# KiCad board AudioInputPCB_Balanced.kicad_pcb
title: Balanced Analog Input Board for SmallDSP; date: 2024-04-23; rev: 2.0; company: Till Heuer
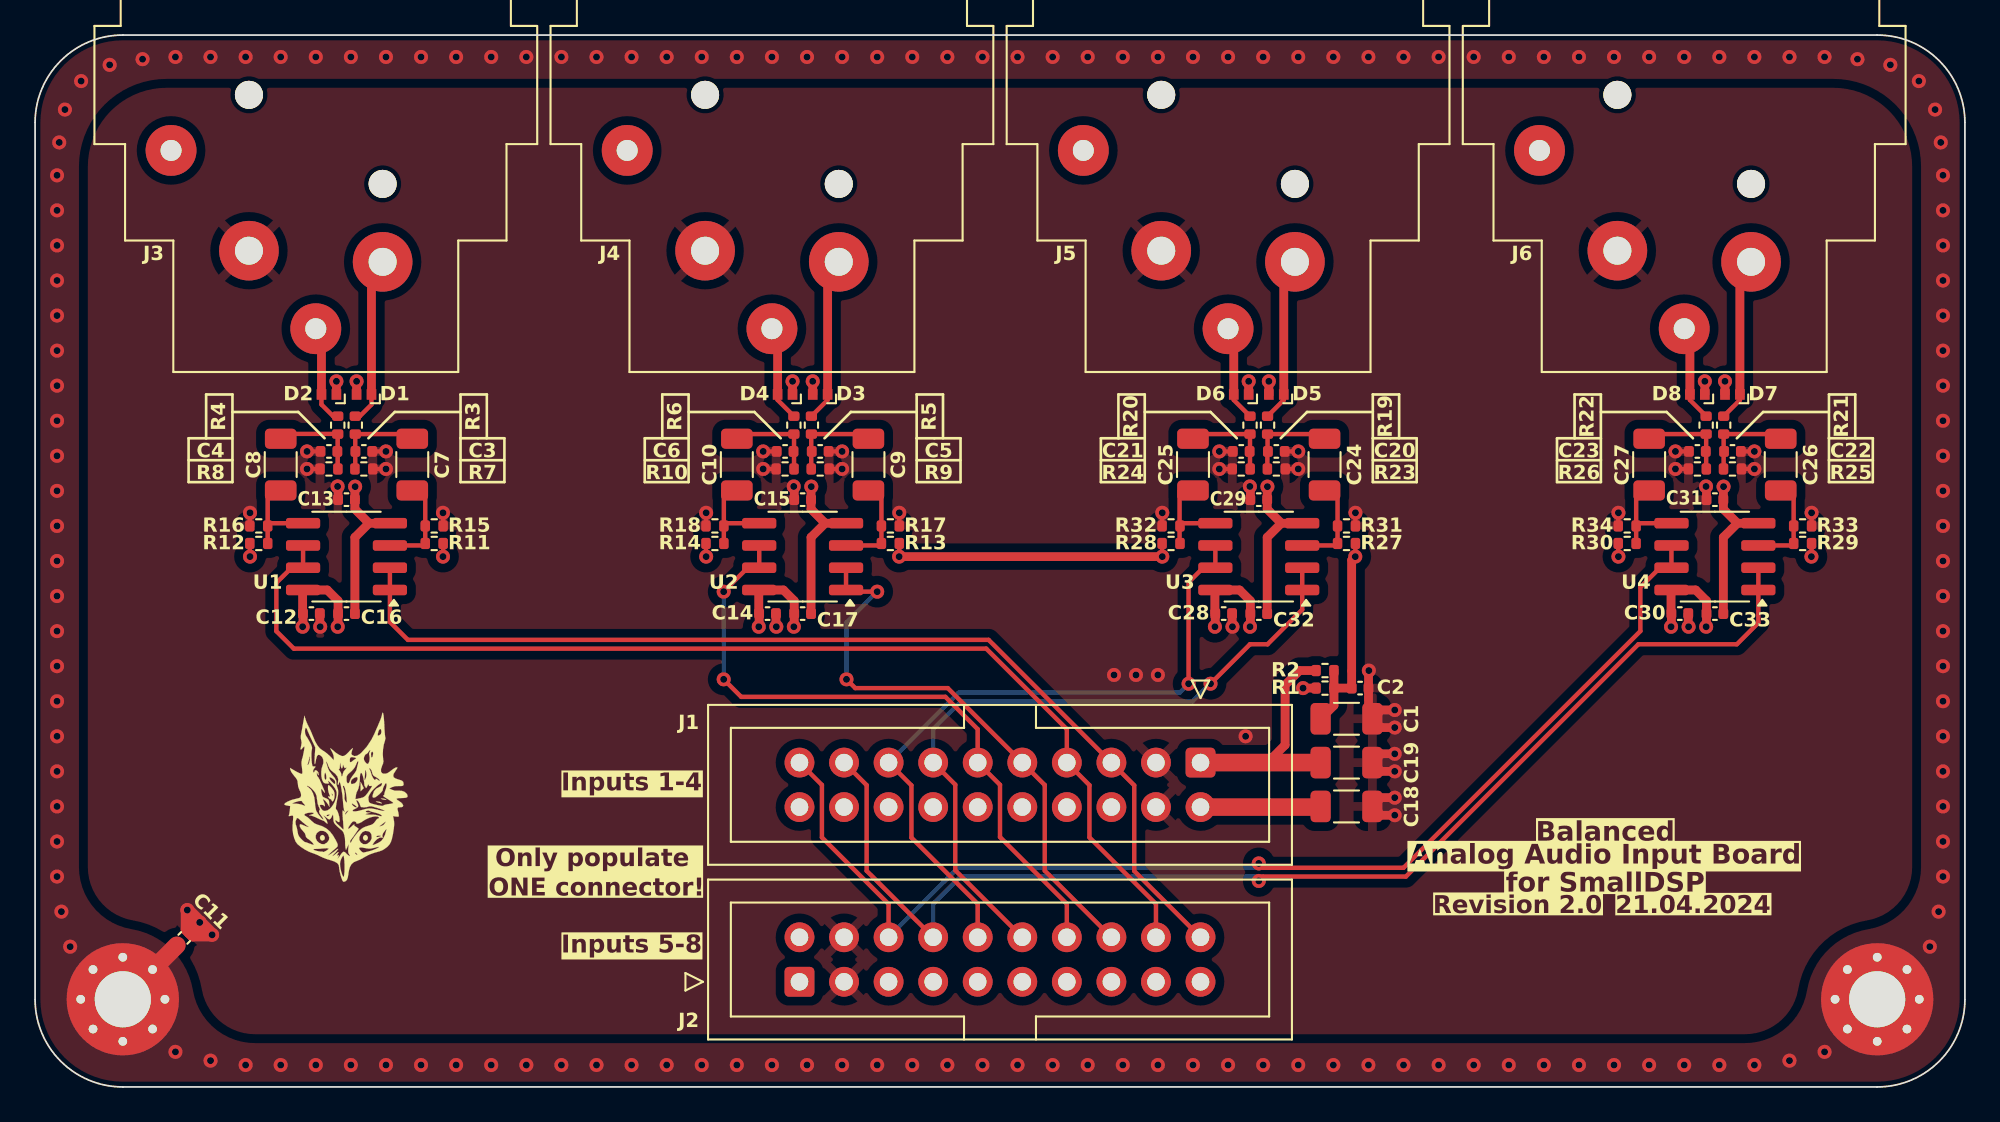
[diagram p0: board, top side]
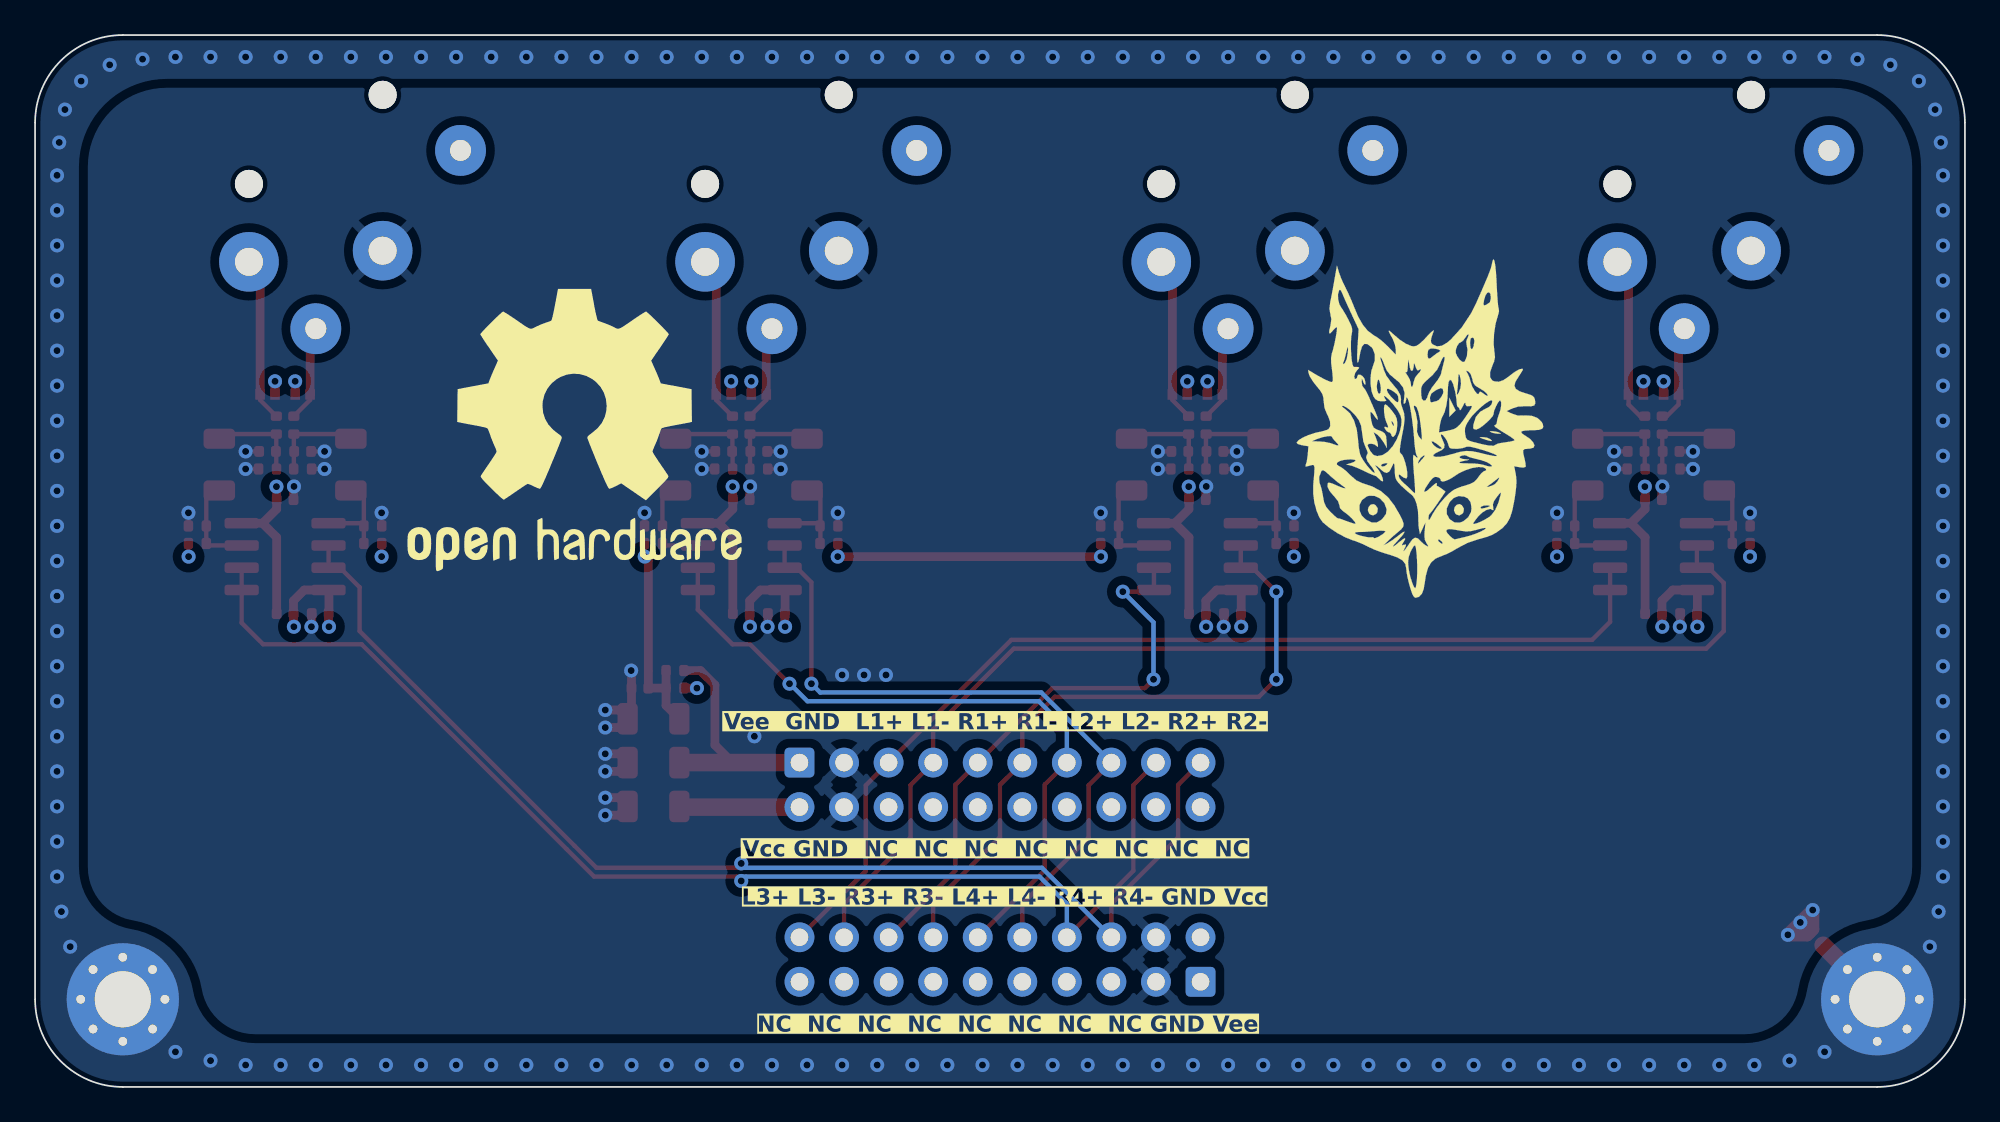
[diagram p1: board, bottom side, seen from below]

Outline 110 x 60 mm; copper layers: Top, In1.Cu, In2.Cu, Bottom. Coordinates in mm from the lower left corner of the outline.
Outline path: 0,55 0,5 arc(1.46,1.46) 5,0 105,0 arc(108.54,1.46) 110,5 110,55 arc(108.54,58.54) 105,60 5,60 arc(1.46,58.54) 0,55
Stack: Top 0.035mm / dielectric 0.1mm FR4 er 4.5 / In1.Cu 0.035mm / dielectric 1.24mm FR4 er 4.5 / In2.Cu 0.035mm / dielectric 0.1mm FR4 er 4.5 / Bottom 0.035mm

## Placement (name value [footprint] x y rotation side)
C1  10u  [C_1206_3216Metric]  74.75 21 180 top  (not fitted)
C2  100n  [C_0402_1005Metric]  75.53 22.75 0 top  (not fitted)
C3  100p  [C_0402_1005Metric]  18.74 36.25 180 top
C4  100p  [C_0402_1005Metric]  16.75 36.25 0 top
C5  100p  [C_0402_1005Metric]  44.75 36.25 180 top
C6  100p  [C_0402_1005Metric]  42.75 36.25 0 top
C7  10u  [C_1206_3216Metric]  21.5 35.5 270 top
C8  10u  [C_1206_3216Metric]  14 35.5 270 top
C9  10u  [C_1206_3216Metric]  47.5 35.5 270 top
C10  10u  [C_1206_3216Metric]  40 35.5 270 top
C11  100n  [C_0402_1005Metric]  8.5 8.5 45 top
C12  100n  [C_0402_1005Metric]  15.75 27 0 top
C13  100n  [C_0402_1005Metric]  17.75 33.5 0 top
C14  100n  [C_0402_1005Metric]  41.75 27 0 top
C15  100n  [C_0402_1005Metric]  43.75 33.5 0 top
C16  100n  [C_0402_1005Metric]  17.75 27 0 top
C17  100n  [C_0402_1005Metric]  43.75 27 0 top
C18  10u  [C_1206_3216Metric]  74.75 16 180 top
C19  10u  [C_1206_3216Metric]  74.75 18.5 0 top
C20  100p  [C_0402_1005Metric]  70.75 36.25 180 top
C21  100p  [C_0402_1005Metric]  68.75 36.25 0 top
C22  100p  [C_0402_1005Metric]  96.75 36.25 180 top
C23  100p  [C_0402_1005Metric]  94.75 36.25 0 top
C24  10u  [C_1206_3216Metric]  73.5 35.5 270 top
C25  10u  [C_1206_3216Metric]  66 35.5 270 top
C26  10u  [C_1206_3216Metric]  99.5 35.5 270 top
C27  10u  [C_1206_3216Metric]  92 35.5 270 top
C28  100n  [C_0402_1005Metric]  67.75 27 0 top
C29  100n  [C_0402_1005Metric]  69.75 33.5 0 top
C30  100n  [C_0402_1005Metric]  93.75 27 0 top
C31  100n  [C_0402_1005Metric]  95.75 33.5 0 top
C32  100n  [C_0402_1005Metric]  69.75 27 0 top
C33  100n  [C_0402_1005Metric]  95.75 27 0 top
D1  PESD18VF1BL  [DFN1006-2]  18.75 39.5 180 top
D2  PESD18VF1BL  [DFN1006-2]  16.75 39.5 180 top
D3  PESD18VF1BL  [DFN1006-2]  44.75 39.5 180 top
D4  PESD18VF1BL  [DFN1006-2]  42.75 39.5 180 top
D5  PESD18VF1BL  [DFN1006-2]  70.75 39.5 180 top
D6  PESD18VF1BL  [DFN1006-2]  68.75 39.5 180 top
D7  PESD18VF1BL  [DFN1006-2]  96.75 39.5 180 top
D8  PESD18VF1BL  [DFN1006-2]  94.75 39.5 180 top
G***  LOGO  [Strix_paint_600dpi]  17.75 16.5 0 top
G***#2  LOGO  [OpenHardware_600dpi]  79.25 37.5 180 bottom
G***#3  LOGO  [Strix_paint_300dpi]  31 37.5 180 bottom
H1  MountingHole_Pad  [MountingHole_3.2mm_M3_Pad_Via]  5 5 0 top
H2  MountingHole_Pad  [MountingHole_3.2mm_M3_Pad_Via]  105 5 0 top
J1  IDC  [IDC-Header_2x10_P2.54mm_Vertical]  66.43 18.5 270 top
J2  IDC  [IDC-Header_2x10_P2.54mm_Vertical]  43.57 6 90 top
J3  XLR3_Ground  [Jack_XLR_Neutrik_NC3FAAH2_Horizontal]  12.19 47.7 90 top
J4  XLR3_Ground  [Jack_XLR_Neutrik_NC3FAAH2_Horizontal]  38.19 47.7 90 top
J5  XLR3_Ground  [Jack_XLR_Neutrik_NC3FAAH2_Horizontal]  64.19 47.7 90 top
J6  XLR3_Ground  [Jack_XLR_Neutrik_NC3FAAH2_Horizontal]  90.19 47.7 90 top
R1  10k  [R_0402_1005Metric]  73.53 22.75 0 top  (not fitted)
R2  10k  [R_0402_1005Metric]  73.53 23.75 180 top  (not fitted)
R3  100R  [R_0402_1005Metric]  18.25 37.75 270 top
R4  100R  [R_0402_1005Metric]  17.25 37.75 270 top
R5  100R  [R_0402_1005Metric]  44.25 37.75 270 top
R6  100R  [R_0402_1005Metric]  43.25 37.75 270 top
R7  220k  [R_0402_1005Metric]  18.74 35.25 0 top
R8  220k  [R_0402_1005Metric]  16.75 35.25 180 top
R9  220k  [R_0402_1005Metric]  44.75 35.25 0 top
R10  220k  [R_0402_1005Metric]  42.75 35.25 180 top
R11  100k  [R_0402_1005Metric]  22.75 31 0 top  (not fitted)
R12  100k  [R_0402_1005Metric]  12.75 31 180 top  (not fitted)
R13  100k  [R_0402_1005Metric]  48.75 31 0 top  (not fitted)
R14  100k  [R_0402_1005Metric]  38.75 31 180 top  (not fitted)
R15  100k  [R_0402_1005Metric]  22.75 32 0 top
R16  100k  [R_0402_1005Metric]  12.75 32 180 top
R17  100k  [R_0402_1005Metric]  48.75 32 0 top
R18  100k  [R_0402_1005Metric]  38.75 32 180 top
R19  100R  [R_0402_1005Metric]  70.25 37.75 270 top
R20  100R  [R_0402_1005Metric]  69.25 37.75 270 top
R21  100R  [R_0402_1005Metric]  96.25 37.75 270 top
R22  100R  [R_0402_1005Metric]  95.25 37.75 270 top
R23  220k  [R_0402_1005Metric]  70.75 35.25 0 top
R24  220k  [R_0402_1005Metric]  68.75 35.25 180 top
R25  220k  [R_0402_1005Metric]  96.75 35.25 0 top
R26  220k  [R_0402_1005Metric]  94.75 35.25 180 top
R27  100k  [R_0402_1005Metric]  74.75 31 0 top  (not fitted)
R28  100k  [R_0402_1005Metric]  64.75 31 180 top  (not fitted)
R29  100k  [R_0402_1005Metric]  100.75 31 0 top  (not fitted)
R30  100k  [R_0402_1005Metric]  90.75 31 180 top  (not fitted)
R31  100k  [R_0402_1005Metric]  74.75 32 0 top
R32  100k  [R_0402_1005Metric]  64.75 32 180 top
R33  100k  [R_0402_1005Metric]  100.75 32 0 top
R34  100k  [R_0402_1005Metric]  90.75 32 180 top
U1  NE5532  [SOIC-8_3.9x4.9mm_P1.27mm]  17.75 30.25 180 top
U2  NE5532  [SOIC-8_3.9x4.9mm_P1.27mm]  43.75 30.25 180 top
U3  NE5532  [SOIC-8_3.9x4.9mm_P1.27mm]  69.75 30.25 180 top
U4  NE5532  [SOIC-8_3.9x4.9mm_P1.27mm]  95.75 30.25 180 top

## Library data of the parts
C1 C7-C10 C18 C19 C24-C27 = -: Assembling: X; ki_fp_filters: C_*
C2 C16 C17 C32 C33 = -: Dielectric: X7R; Notes: -25%@10VDC; Rated Voltage: 50V; Assembling: X; Manufacturer: Samsung Electro-Mechanics; Part Number: CL05B104KB54PNC; Tolerance: 10%; LCSC Part #: C307331; ki_fp_filters: C_*
C3-C6 C20-C23 = -: Dielectric: C0G; Rated Voltage: 50V; Assembling: X; Manufacturer: FH (Guangdong Fenghua Advanced Tech); Part Number: 0402CG101J500NT; Tolerance: 5%; LCSC Part #: C1546; ki_fp_filters: C_*
C11-C15 C28-C31 = -: Assembling: X; Dielectric: X7R; LCSC Part #: C307331; Manufacturer: Samsung Electro-Mechanics; Notes: -25%@10VDC; Part Number: CL05B104KB54PNC; Rated Voltage: 50V; Tolerance: 10%; ki_fp_filters: C_*
D1 D3-D8 = -: Datasheet: https://www.lcsc.com/datasheet/lcsc_datasheet_2304140030_Nexperia-PESD18VF1BL_C265127.pdf; Assembling: X; LCSC Part #: C265127; Manufacturer: Nexperia; Notes: Alternative: C686660; ki_fp_filters: TO-???* *_Diode_* *SingleDiode* D_*
D2 = -: Datasheet: https://www.lcsc.com/datasheet/lcsc_datasheet_2304140030_Nexperia-PESD18VF1BL_C265127.pdf; Notes: Alternative: C686660; Assembling: X; Manufacturer: Nexperia; LCSC Part #: C265127; ki_fp_filters: TO-???* *_Diode_* *SingleDiode* D_*
H1 H2 = -: LCSC Part #: -; Manufacturer: -; Part Number: -; ki_fp_filters: MountingHole*Pad*
J1 J2 = -: LCSC Part #: -; Manufacturer: Amphenol; Part Number: T821120A1S100CEU; ki_fp_filters: Connector*:*_2x??_*
J3-J5 = -: LCSC Part #: -; Manufacturer: Kobiconn; Part Number: 156-4219-E; ki_fp_filters: Jack*XLR*
J6 = -: ki_fp_filters: Jack*XLR*
R1 R2 = -: Assembling: X; Manufacturer: UNI-ROYAL(Uniroyal Elec); Rated Power: 62.5mW; Part Number: 0402WGF1002TCE; Tolerance: 1%; ki_fp_filters: R_*
R3-R6 R19-R22 = -: Assembling: X; Manufacturer: UNI-ROYAL(Uniroyal Elec); Part Number: 0402WGF1000TCE; Rated Power: 62.5mW; Tolerance: 1%; LCSC Part #: C25076; ki_fp_filters: R_*
R7 = -: Assembling: X; LCSC Part #: C25767; Manufacturer: UNI-ROYAL(Uniroyal Elec); Part Number: 0402WGF2203TCE; Rated Power: 62.5mW; Tolerance: 1%; ki_fp_filters: R_*
R8-R10 R23-R26 = -: Assembling: X; Manufacturer: UNI-ROYAL(Uniroyal Elec); Rated Power: 62.5mW; Part Number: 0402WGF2203TCE; Tolerance: 1%; LCSC Part #: C25767; ki_fp_filters: R_*
R11-R18 R27-R34 = -: Assembling: X; Manufacturer: UNI-ROYAL(Uniroyal Elec); Rated Power: 62.5mW; Part Number: 0402WGF1003TCE; Tolerance: 1%; ki_fp_filters: R_*
U1 = -: Manufacturer: Texas Instruments; Part Number: NE5532DR; Assembling: X; LCSC Part #: C7426; ki_fp_filters: SOIC*3.9x4.9mm*P1.27mm* DIP*W7.62mm* MSOP*3x3mm*P0.65mm* SSOP*2.95x2.8mm*P0.65mm* TSSOP*3x3mm*P0.65mm* VSSOP*P0.5mm* TO?99*
U2-U4 = -: Assembling: X; LCSC Part #: C7426; Manufacturer: Texas Instruments; Part Number: NE5532DR; ki_fp_filters: SOIC*3.9x4.9mm*P1.27mm* DIP*W7.62mm* MSOP*3x3mm*P0.65mm* SSOP*2.95x2.8mm*P0.65mm* TSSOP*3x3mm*P0.65mm* VSSOP*P0.5mm* TO?99*

## Footprints (pads in the part's own frame, mm; a bottom-side part is the same pattern mirrored in y, then rotated)
C_0402_1005Metric
  rrect 0.56x0.62 smd: 1(-0.48,0) 2(0.48,0)
C_1206_3216Metric
  rrect 1.15x1.8 smd: 1(-1.475,0) 2(1.475,0)
DFN1006-2
  rect 0.55x0.6 smd: 1(-0.425,0) 2(0.425,0)
IDC-Header_2x10_P2.54mm_Vertical
  rrect 1.7x1.7 hole 1: 1(0,0)
  round 1.7 hole 1: 2(2.54,0) 3(0,-2.54) 4(2.54,-2.54) 5(0,-5.08) 6(2.54,-5.08) 7(0,-7.62) 8(2.54,-7.62) 9(0,-10.16) 10(2.54,-10.16) 11(0,-12.7) 12(2.54,-12.7) 13(0,-15.24) 14(2.54,-15.24) 15(0,-17.78) 16(2.54,-17.78) 17(0,-20.32) 18(2.54,-20.32) 19(0,-22.86) 20(2.54,-22.86)
Jack_XLR_Neutrik_NC3FAAH2_Horizontal
  round 1.6 hole 1.6 unplated: (3.81,-7.62) (8.89,0)
  round 3.4 hole 1.6: 1(0,0) 2(-0.635,-7.62)
  round 2.9 hole 1.2: 3(-4.45,-3.81) G(5.72,4.44)
MountingHole_3.2mm_M3_Pad_Via
  round 0.8 hole 0.5: 1(-2.4,0) 1(-1.697,1.697) 1(-1.697,-1.697) 1(0,2.4) 1(0,-2.4) 1(1.697,1.697) 1(1.697,-1.697) 1(2.4,0)
  round 6.4 hole 3.2: 1(0,0)
R_0402_1005Metric
  rrect 0.54x0.64 smd: 1(-0.51,0) 2(0.51,0)
SOIC-8_3.9x4.9mm_P1.27mm
  rrect 1.95x0.6 smd: 1(-2.475,1.905) 2(-2.475,0.635) 3(-2.475,-0.635) 4(-2.475,-1.905) 5(2.475,-1.905) 6(2.475,-0.635) 7(2.475,0.635) 8(2.475,1.905)

## Nets
GND: C1.1 C2.2 C3.1 C4.1 C5.1 C6.1 C11.2 C12.2 C13.1 C14.2 C15.1 C18.1 C19.2 C20.1 C21.1 C22.1 C23.1 C28.2 C29.1 C30.2 C31.1 J1.3 J1.4 J2.3 J2.4 J3.1 J4.1 J5.1 J6.1 R7.2 R8.2 R9.2 R10.2 R15.2 R16.2 R17.2 R18.2 R23.2 R24.2 R25.2 R26.2 R31.2 R32.2 R33.2 R34.2
VCC: C12.1 C14.1 C16.1 C17.1 C18.2 C28.1 C30.1 C32.1 C33.1 J1.2 J2.2 R1.1 U1.8 U2.8 U3.8 U4.8
VEE: C13.2 C15.2 C16.2 C17.2 C19.1 C29.2 C31.2 C32.2 C33.2 J1.1 J2.1 R2.2 U1.4 U2.4 U3.4 U4.4
/In L1+: J1.5 J2.20 U1.1 U1.2
/In L1-: J1.7 J2.18 U1.6 U1.7
/In L2+: J1.13 J2.12 U3.1 U3.2
/In L2-: J1.15 J2.10 U3.6 U3.7
/In R1+: J1.9 J2.16 U2.1 U2.2
/In R1-: J1.11 J2.14 U2.6 U2.7
/In R2+: J1.17 J2.8 U4.1 U4.2
/In R2-: J1.19 J2.6 U4.6 U4.7
Earth_Protective: C11.1 D1.2 D2.1 D3.2 D4.1 D5.2 D6.1 D7.2 D8.1 H1.1 H2.1 J3.G J4.G J5.G J6.G
VCOM: C1.2 C2.1 R1.2 R2.1 R11.2 R12.2 R13.2 R14.2 R27.2 R28.2 R29.2 R30.2
Net-(C3-Pad2): C3.2 C7.1 R3.2 R7.1
Net-(C4-Pad2): C4.2 C8.1 R4.2 R8.1
Net-(C5-Pad2): C5.2 C9.1 R5.2 R9.1
Net-(C10-Pad1): C6.2 C10.1 R6.2 R10.1
Net-(C20-Pad2): C20.2 C24.1 R19.2 R23.1
Net-(C21-Pad2): C21.2 C25.1 R20.2 R24.1
Net-(C22-Pad2): C22.2 C26.1 R21.2 R25.1
Net-(C23-Pad2): C23.2 C27.1 R22.2 R26.1
Net-(D1-A1): D1.1 J3.2 R3.1
Net-(D2-A2): D2.2 J3.3 R4.1
Net-(D3-A1): D3.1 J4.2 R5.1
Net-(D4-A2): D4.2 J4.3 R6.1
Net-(D5-A1): D5.1 J5.2 R19.1
Net-(D6-A2): D6.2 J5.3 R20.1
Net-(D7-A1): D7.1 J6.2 R21.1
Net-(D8-A2): D8.2 J6.3 R22.1
Net-(U1A-+): C7.2 R11.1 R15.1 U1.3
Net-(U1B-+): C8.2 R12.1 R16.1 U1.5
Net-(U2A-+): C9.2 R13.1 R17.1 U2.3
Net-(U2B-+): C10.2 R14.1 R18.1 U2.5
Net-(U3A-+): C24.2 R27.1 R31.1 U3.3
Net-(U3B-+): C25.2 R28.1 R32.1 U3.5
Net-(U4A-+): C26.2 R29.1 R33.1 U4.3
Net-(U4B-+): C27.2 R30.1 R34.1 U4.5

Pads without a net: J1 6 8 10 12 14 16 18 20; J2 5 7 9 11 13 15 17 19

## Via types
v1: diameter 0.8, hole 0.4, Top to Bottom, 235 vias

## Routing (per net, layer and track width the routed paths; a pad name or vN(x,y) marks a point on that pad's centre or on a via; arc(x,y) is an arc through that point)
GND: length 41.3
  Top w0.25: C3.1 v1(20,36.25) ; 71.25,35.25 v1(72,35.25) ; v1(12.25,32.75) 12.24,32.74 R16.2 ; R7.2 v1(20,35.25) ; R15.2 23.26,32.74 v1(23.25,32.75) ; R34.2 90.24,32.74 v1(90.25,32.75) ; v1(38.25,32.75) 38.24,32.74 R18.2 ; 71.22,36.25 v1(72,36.25) ; R24.2 v1(67.5,35.25) ; C6.1 v1(41.5,36.25) ; R10.2 v1(41.5,35.25) ; v1(49.26,32.75) R17.2 ; v1(101.26,32.75) R33.2 ; v1(64.25,32.75) 64.24,32.74 R32.2 ; R8.2 v1(15.5,35.25) ; C23.1 v1(93.5,36.25) ; 45.25,35.25 v1(46,35.25) ; R26.2 v1(93.5,35.25) ; C4.1 v1(15.5,36.25) ; 97.22,36.25 v1(98,36.25) ; C21.1 v1(67.5,36.25) ; 45.22,36.25 v1(46,36.25) ; v1(75.26,32.75) R31.2 ; 97.25,35.25 v1(98,35.25)
  Top w0.5: C31.1 95.27,34.23 v1(95.24,34.25) ; C14.2 42.23,26.27 ; C1.1 76.01,21.22 C2.2 76,23.73 ; C1.1 76.73,21.5 v1(77.5,21.5) ; C1.1 76.73,20.5 v1(77.5,20.5) ; C12.2 16.23,26.27 ; C30.2 94.23,26.27 ; v1(69.24,34.25) 69.27,34.23 C29.1 ; v1(17.24,34.25) 17.27,34.23 C13.1 ; v1(77.5,19) 76.73,19 C19.2 76.73,18 v1(77.5,18) ; C28.2 68.23,26.27 ; v1(77.5,15.5) 76.73,15.5 C18.1 76.73,16.5 v1(77.5,16.5) ; v1(43.24,34.25) 43.27,34.23 C15.1
  Top w0.75: C11.2 v1(9.38,9.38) ; C11.2 9,8.68 v1(10.09,8.68) v1(8.68,10.09) 8.68,9 C11.2
  vias: v1(16.25,26.25) v1(42.25,26.25) v1(61.5,23.5) v1(62.75,23.5) v1(64,23.5) v1(68.25,26.25) v1(69,20) v1(76.03,23.75) v1(94.25,26.25)
VCC: length 30.3
  Top w0.5: 67.25,27.02 67.25,28.22 ; U4.8 94.66,28.34 95.27,27.73 C33.1 95.27,26.27 v1(95.25,26.25) ; U1.8 16.66,28.34 17.27,27.73 C16.1 17.27,26.27 v1(17.25,26.25) ; 15.25,27.02 15.25,28.22 ; 69.27,26.27 C32.1 69.27,27.73 68.66,28.34 U3.8 ; C30.1 93.27,26.27 ; C14.1 41.27,26.27 ; U2.8 42.66,28.34 43.27,27.73 C17.1 43.27,26.27 v1(43.25,26.25) ; R1.1 v1(72.28,22.75) ; C28.1 67.27,26.27 ; 41.25,27.02 41.25,28.22 ; 93.25,27.02 93.25,28.22 ; C12.1 15.27,26.27
  Top w1: J1.2 73.24,15.96 C18.2
  vias: v1(15.25,26.25) v1(41.25,26.25) v1(67.25,26.25) v1(69.25,26.25) v1(93.25,26.25)
VEE: length 50.2
  Top w0.25: 96.25,33.27 96.28,33.25
  Top w0.5: 45.04,32.16 44.23,32.96 C15.2 44.23,34.23 v1(44.24,34.24) ; 45.04,32.16 46.23,32.16 ; 45.04,32.16 44.23,31.35 C17.2 ; 71.04,32.16 70.23,31.35 C32.2 ; 71.04,32.16 70.23,32.96 C29.2 70.23,34.23 v1(70.24,34.24) ; 71.04,32.16 72.23,32.16 ; 97.04,32.16 96.23,32.96 C31.2 96.23,34.23 v1(96.24,34.24) ; 97.04,32.16 98.23,32.16 ; 97.04,32.16 96.23,31.35 C33.2 ; R2.2 72.07,23.75 71.25,22.93 71.25,19.5 70.25,18.5 ; 19.03,32.16 18.23,31.35 C16.2 ; 19.03,32.16 U1.4 ; 19.03,32.16 18.23,32.96 C13.2 18.23,34.23 v1(18.24,34.24)
  Top w1: J1.1 73.27,18.5 C19.1
/In L1+: length 59.6
  Top w0.25: J2.20 62.65,12.32 62.65,17.2 J1.5 54.35,25.5 21.25,25.5 20.22,26.53 U1.1 U1.2
/In L1-: length 67.3
  Top w0.25: J2.18 63.89,10.44 60.1,14.23 60.1,17.21 J1.7 58.81,20.41 54.22,25 14.75,25 13.75,26 13.75,28.75 14.61,29.61 U1.7 U1.6
/In L2+: length 40.3
  Top w0.25: J1.13 52.45,17.24 52.45,12.36 J2.12 ; U3.1 72.22,27.22 70.25,25.25 69.25,25.25 v1(67,23) ; 72.23,29.61 72.23,28.34
  Bottom w0.25: J1.13 51.19,20.41 52.78,22 65.97,22 67,23.03 v1(67,23) 66.97,23
/In L2-: length 40
  Top w0.25: v1(65.75,23) 65.75,28.78 66.58,29.61 U3.7 U3.6 ; J2.10 53.73,10.44 49.95,14.22 49.95,17.2 J1.15
  Bottom w0.25: v1(65.75,23) 65.25,22.5 52.65,22.5 J1.15
/In R1+: length 32.9
  Top w0.25: 46.23,29.61 46.23,28.34 ; J2.16 57.55,12.34 57.55,17.22 J1.9 52.02,22.75 46.75,22.75 v1(46.25,23.25) ; U2.1 46.32,28.25 v1(48,28.25)
  Bottom w0.25: v1(46.25,23.25) 46.25,26.5 v1(48,28.25)
/In R1-: length 38.5
  Top w0.25: v1(39.25,28.25) 40.61,29.61 U2.7 U2.6 ; J2.14 58.81,10.44 55,14.25 55,17.23 J1.11 53.73,20.41 51.89,22.25 40.25,22.25 v1(39.25,23.25)
  Bottom w0.25: v1(39.25,23.25) v1(39.25,28.25)
/In R2+: length 71
  Top w0.25: J2.8 47.4,12.33 47.4,17.21 J1.17 ; 98.23,29.61 98.23,28.34 ; v1(69.75,11.75) 70,12 78.14,12 91.39,25.25 97,25.25 98.22,26.47 U4.1
  Bottom w0.25: J2.8 51.19,10.44 51.25,10.5 51.25,10.5 52.75,12 69.5,12 v1(69.75,11.75)
/In R2-: length 68.4
  Top w0.25: J2.6 48.65,10.43 44.85,14.23 44.85,17.22 J1.19 ; U4.6 U4.7 92.62,29.61 91.5,28.5 91.5,26 78,12.5 70,12.5 v1(69.75,12.75)
  Bottom w0.25: v1(69.75,12.75) 69.5,12.5 52.61,12.5 J2.6
Earth_Protective: length 8.7
  Top w0.5: v1(43.17,40.25) D4.1 ; v1(17.17,40.25) 17.17,39.5 ; v1(69.17,40.25) D6.1 ; v1(44.33,40.25) D3.2 ; v1(18.33,40.25) D1.2 ; 95.17,40.25 D8.1 ; 96.33,40.25 D7.2 ; 70.33,40.25 D5.2
  Top w1: 6.2,6.2 8.08,8.08
  vias: v1(1.25,52) v1(1.25,50) v1(1.25,48) v1(1.25,46) v1(1.25,44) v1(1.25,42) v1(1.25,40) v1(1.25,38) v1(1.25,36) v1(1.25,34) v1(1.25,32) v1(1.25,30) v1(1.25,28) v1(1.25,26) v1(1.25,24) v1(1.25,22) v1(1.25,20) v1(1.25,18) v1(1.25,16) v1(1.25,14) v1(1.25,12) v1(1.38,53.88) v1(1.5,10) v1(1.7,55.75) v1(2,8) v1(2.62,57.38) v1(4.25,58.3) v1(6.12,58.62) v1(8,58.75) v1(8,2) v1(10,58.75) v1(10,1.5) v1(12,58.75) v1(12,1.25) v1(14,58.75) v1(14,1.25) v1(16,58.75) v1(16,1.25) v1(18,58.75) v1(18,1.25) v1(20,58.75) v1(20,1.25) v1(22,58.75) v1(22,1.25) v1(24,58.75) v1(24,1.25) v1(26,58.75) v1(26,1.25) v1(28,58.75) v1(28,1.25) v1(30,58.75) v1(30,1.25) v1(32,58.75) v1(32,1.25) v1(34,58.75) v1(34,1.25) v1(36,58.75) v1(36,1.25) v1(38,58.75) v1(38,1.25) v1(40,58.75) v1(40,1.25) v1(42,58.75) v1(42,1.25) v1(44,58.75) v1(44,1.25) v1(46,58.75) v1(46,1.25) v1(48,58.75) v1(48,1.25) v1(50,58.75) v1(50,1.25) v1(52,58.75) v1(52,1.25) v1(54,58.75) v1(54,1.25) v1(56,58.75) v1(56,1.25) v1(58,58.75) v1(58,1.25) v1(60,58.75) v1(60,1.25) v1(62,58.75) v1(62,1.25) v1(64,58.75) v1(64,1.25) v1(66,58.75) v1(66,1.25) v1(68,58.75) v1(68,1.25) v1(70,58.75) v1(70,1.25) v1(70.33,40.25) v1(72,58.75) v1(72,1.25) v1(74,58.75) v1(74,1.25) v1(76,58.75) v1(76,1.25) v1(78,58.75) v1(78,1.25) v1(80,58.75) v1(80,1.25) v1(82,58.75) v1(82,1.25) v1(84,58.75) v1(84,1.25) v1(86,58.75) v1(86,1.25) v1(88,58.75) v1(88,1.25) v1(90,58.75) v1(90,1.25) v1(92,58.75) v1(92,1.25) v1(94,58.75) v1(94,1.25) v1(95.18,40.25) v1(96,58.75) v1(96,1.25) v1(96.32,40.25) v1(98,58.75) v1(98,1.25) v1(100,58.75) v1(100,1.5) v1(102,58.75) v1(102,2) v1(103.88,58.62) v1(105.75,58.3) v1(107.38,57.38) v1(108,8) v1(108.3,55.75) v1(108.5,10) v1(108.62,53.88) v1(108.75,52) v1(108.75,50) v1(108.75,48) v1(108.75,46) v1(108.75,44) v1(108.75,42) v1(108.75,40) v1(108.75,38) v1(108.75,36) v1(108.75,34) v1(108.75,32) v1(108.75,30) v1(108.75,28) v1(108.75,26) v1(108.75,24) v1(108.75,22) v1(108.75,20) v1(108.75,18) v1(108.75,16) v1(108.75,14) v1(108.75,12)
VCOM: length 106.7
  Top w0.25: v1(38.25,30.25) 38.24,30.26 R14.2 ; R27.2 75.26,30.26 v1(75.25,30.25) ; v1(49.25,30.25) 49.26,30.26 R13.2 ; v1(23.25,30.25) 23.26,30.26 R11.2 ; v1(90.25,30.25) 90.24,30.26 R30.2 ; R28.2 64.24,30.26 v1(64.25,30.25) ; R12.2 12.24,30.26 v1(12.25,30.25) ; R29.2 101.26,30.26 v1(101.25,30.25)
  Top w0.5: R1.2 74.03,21.76 C1.2 ; R1.2 R2.1 ; R1.2 75.04,22.75 75.04,30.04 v1(75.25,30.25) ; v1(49.25,30.25) v1(64.25,30.25)
  In2.Cu w0.5: v1(49.25,30.25) v1(38.25,30.25) v1(12.25,30.25) ; v1(64.25,30.25) v1(75.25,30.25) v1(90.25,30.25) v1(101.25,30.25)
Net-(C3-Pad2): length 5.3
  Top w0.25: C7.1 21.23,37.24 R3.2 18.25,35.28
Net-(C4-Pad2): length 5.3
  Top w0.25: C8.1 14.27,37.25 17.24,37.25 R4.2 17.25,35.29
Net-(C5-Pad2): length 5.4
  Top w0.25: R9.1 44.24,37.23 R5.2 47.23,37.24 C9.1
Net-(C10-Pad1): length 5.4
  Top w0.25: R10.1 43.26,37.23 R6.2 40.27,37.24 C10.1
Net-(C20-Pad2): length 5.4
  Top w0.25: R23.1 70.24,36.22 C20.2 70.25,36.27 R19.2 73.24,37.24 C24.1
Net-(C21-Pad2): length 5.4
  Top w0.25: R24.1 69.25,35.26 R20.2 66.27,37.24 C25.1
Net-(C22-Pad2): length 5.4
  Top w0.25: R25.1 96.25,35.26 R21.2 99.24,37.24 C26.1
Net-(C23-Pad2): length 5.4
  Top w0.25: C27.1 92.26,37.24 R22.2 95.25,35.26 R26.1
Net-(D1-A1): length 9.6
  Top w0.25: 18.26,38.25 R3.1 18.51,38.26 19.17,38.92 D1.1
  Top w0.5: J3.2 19.17,46.43 D1.1
Net-(D2-A2): length 5.7
  Top w0.25: D2.2 16.33,38.92 16.99,38.26 R4.1 17.24,38.25
  Top w0.5: J3.3 16.33,42.92 D2.2
Net-(D3-A1): length 9.6
  Top w0.25: 44.26,38.25 R5.1 45.17,39.18 D3.1 45.3,39.38
  Top w0.5: D3.1 45.17,46.43 J4.2
Net-(D4-A2): length 6.4
  Top w0.25: 43.24,38.25 R6.1 42.33,39.18 D4.2 42.2,39.38
  Top w0.5: 41.92,43.2 41.44,43.69 ; D4.2 42.33,42.92 J4.3
Net-(D5-A1): length 9.6
  Top w0.25: 71.3,39.38 D5.1 71.17,39.18 R19.1 70.26,38.25
  Top w0.5: J5.2 71.17,46.43 D5.1
Net-(D6-A2): length 5.7
  Top w0.25: 68.2,39.38 D6.2 68.33,39.18 R20.1 69.24,38.25
  Top w0.5: J5.3 68.33,42.92 D6.2
Net-(D7-A1): length 9.6
  Top w0.25: R21.1 97.17,39.18 D7.1 97.3,39.38
  Top w0.5: J6.2 97.17,46.43 D7.1
Net-(D8-A2): length 5.5
  Top w0.25: D8.2 94.33,39.18 R22.1 95.24,38.25
  Top w0.5: J6.3 94.33,42.92 D8.2
Net-(U1A-+): length 4.4
  Top w0.25: 22.24,33.74 22.24,32.26 ; R15.1 R11.1 ; U1.3 22.11,30.89
Net-(U1B-+): length 5
  Top w0.25: 14.23,34.02 C8.2 ; R16.1 13.26,33.74 ; R16.1 13.41,32.16 U1.5 ; R16.1 R12.1
Net-(U2A-+): length 5.1
  Top w0.25: 48.11,32.14 R17.1 ; R13.1 48.24,34 ; 46.23,30.89 48.11,30.89
Net-(U2B-+): length 5.1
  Top w0.25: U2.5 39.42,32.16 R18.1 ; R14.1 39.26,33.99
Net-(U3A-+): length 5.1
  Top w0.25: 74.11,32.14 R31.1 ; R31.1 R27.1 ; R31.1 74.24,33.99 ; 72.23,30.89 74.11,30.89
Net-(U3B-+): length 5.1
  Top w0.25: 65.23,31.02 65.23,34.02 ; U3.5 65.42,32.16 R32.1
Net-(U4A-+): length 4.8
  Top w0.25: R33.1 R29.1 ; R33.1 100.24,33.74 ; R33.1 100.11,32.14 ; 98.23,30.89 100.11,30.89
Net-(U4B-+): length 5.1
  Top w0.25: U4.5 91.41,32.16 R34.1 ; R34.1 91.26,33.99 ; R34.1 R30.1

## Copper pours and planes (outline as drawn; the poured copper is in the pictures)
GND on Top, Bottom, In1.Cu: 110,60 110,0 0,0 0,60
VCC on In2.Cu: 110,29.5 59.5,29.5 59.5,22.24 71.25,22.24 71.25,17 45,17 45,29.5 14.5,29.5 14.5,7.5 110,7.5
VEE on In2.Cu: 0,60 0,0 110,0 110,7 14,7 14,31 45.5,31 45.5,17.5 70.75,17.51 70.75,21.75 59,21.75 59,31 110,31 110,60
Earth_Protective on Top, Bottom, In1.Cu, In2.Cu: 110,60 110,0 0,0 0,60 97,60 97,57.5 2.5,57.5 2.5,9.5 8.5,8.5 9.5,2.5 100.5,2.5 101.5,8.5 107.5,9.5 107.5,57.5 97,57.5 97,60
Earth_Protective on In2.Cu: 0,60 0,39 110,39 110,60

## Text on the board
B.Silkscreen: L3+ L3- R3+ R3- L4+ L4- R4+ R4- GND Vcc | NC  NC  NC  NC  NC  NC  NC  NC GND Vee | Vee  GND  L1+ L1- R1+ R1- L2+ L2- R2+ R2- | Vcc GND  NC  NC  NC  NC  NC  NC  NC  NC
F.Silkscreen: Only populate / ONE connector! | Inputs 1-4 | Inputs 5-8 | Revision 2.0 | 21.04.2024 | Balanced | Analog Audio Input Board | for SmallDSP
